# KiCad board leafony-ap03-stm32.kicad_pcb (continued)
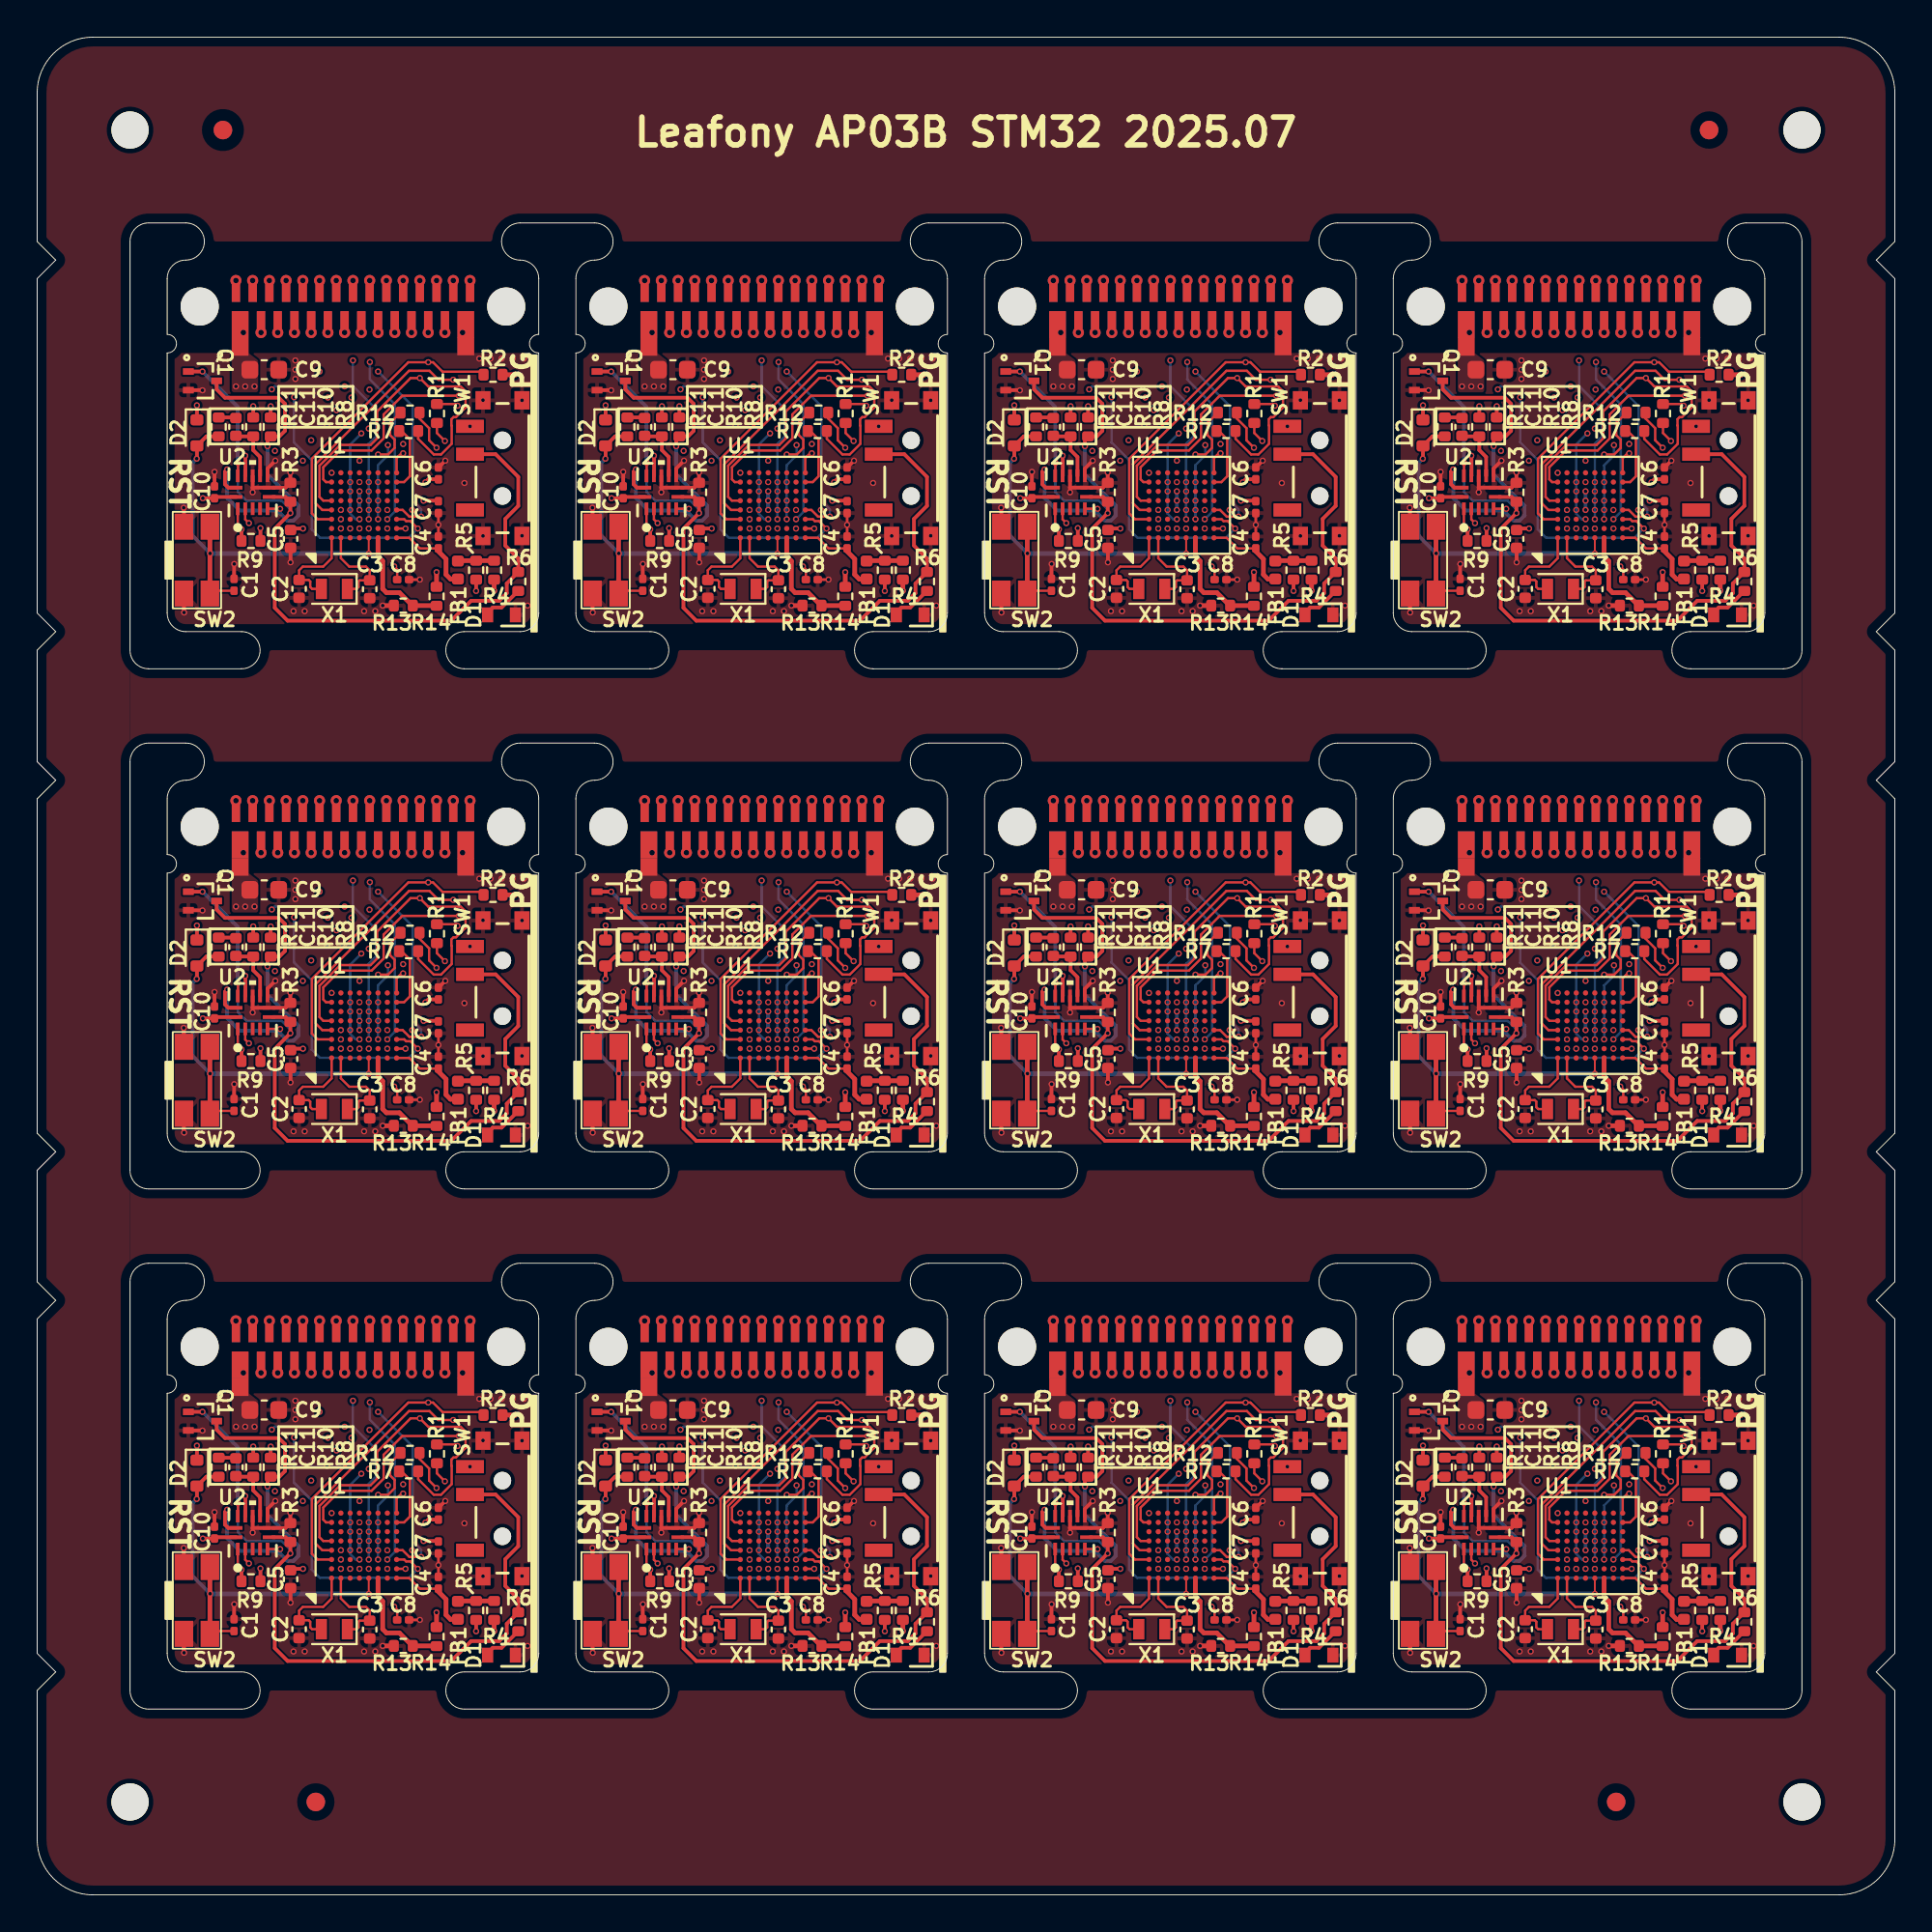
[diagram p0: board, top side]
## Routing (per net, layer and track width the routed paths; a pad name or vN(x,y) marks a point on that pad's centre or on a via; arc(x,y) is an arc through that point) (continued)
D7: length 148.3
  Top w0.127: 41.7,77.69 41.35,77.34 U1#4.H8 ; 41.7,21.69 41.35,21.34 U1.H8 ; 19.7,21.69 19.35,21.34 U1#11.H8 ; U1#8.H8 19.35,49.34 19.7,49.69 ; 85.7,21.69 85.35,21.34 U1#10.H8 ; U1#3.H8 63.35,21.34 63.7,21.69 ; U1#6.H8 63.35,49.34 63.7,49.69 ; U1#7.H8 19.35,77.34 19.7,77.69 ; 63.7,77.69 63.35,77.34 U1#5.H8 ; U1#12.H8 85.35,77.34 85.7,77.69 ; U1#9.H8 41.35,49.34 41.7,49.69 ; 85.7,49.69 85.35,49.34 U1#2.H8
  In1.Cu w0.127: v1(58.75,84.1) v2(58.75,78.3) ; v1(80.75,28.1) v2(80.75,22.3) ; v1(36.75,28.1) v2(36.75,22.3) ; v1(80.75,56.1) v2(80.75,50.3) ; v1(14.75,84.1) v2(14.75,78.3) ; v1(14.75,56.1) v2(14.75,50.3) ; v1(58.75,56.1) v2(58.75,50.3) ; v1(36.75,56.1) v2(36.75,50.3) ; v1(36.75,84.1) v2(36.75,78.3) ; v1(80.75,84.1) v2(80.75,78.3) ; v1(14.75,28.1) v2(14.75,22.3) ; v1(58.75,28.1) v2(58.75,22.3)
  In2.Cu w0.127: 63.7,49.69 63.61,49.6 62.81,49.6 62.11,50.3 v2(58.75,50.3) ; v2(80.75,78.3) 84.11,78.3 84.81,77.6 85.61,77.6 85.7,77.69 ; v2(14.75,50.3) 18.11,50.3 18.81,49.6 19.61,49.6 19.7,49.69 ; v2(36.75,78.3) 40.11,78.3 40.81,77.6 41.61,77.6 41.7,77.69 ; v2(80.75,22.3) 84.11,22.3 84.81,21.6 85.61,21.6 85.7,21.69 ; 19.7,21.69 19.61,21.6 18.81,21.6 18.11,22.3 v2(14.75,22.3) ; v2(58.75,78.3) 62.11,78.3 62.81,77.6 63.61,77.6 63.7,77.69 ; v2(80.75,50.3) 84.11,50.3 84.81,49.6 85.61,49.6 85.7,49.69 ; v2(14.75,78.3) 18.11,78.3 18.81,77.6 19.61,77.6 19.7,77.69 ; v2(36.75,22.3) 40.11,22.3 40.81,21.6 41.61,21.6 41.7,21.69 ; v2(58.75,22.3) 62.11,22.3 62.81,21.6 63.61,21.6 63.7,21.69 ; v2(36.75,50.3) 40.11,50.3 40.81,49.6 41.61,49.6 41.7,49.69
  vias: v2(19.7,77.6) v2(19.7,49.6) v2(19.7,21.6) v2(41.7,77.6) v2(41.7,49.6) v2(41.7,21.6) v2(63.7,77.6) v2(63.7,49.6) v2(63.7,21.6) v2(85.7,77.6) v2(85.7,49.6) v2(85.7,21.6)
D8: length 112.2
  In1.Cu w0.127: v2(60.92,80.6) 60.91,80.59 60.91,76.11 v3(60.85,76.05) ; v2(38.92,80.6) 38.91,80.59 38.91,76.11 v3(38.85,76.05) ; v2(16.92,52.6) 16.91,52.59 16.91,48.11 v3(16.85,48.05) ; v1(15.65,28.1) v2(15.65,24.6) ; v1(15.65,56.1) v2(15.65,52.6) ; v3(60.85,48.05) 60.91,48.11 60.91,52.59 v2(60.92,52.6) ; v1(37.65,84.1) v2(37.65,80.6) ; v1(37.65,56.1) v2(37.65,52.6) ; v3(16.85,76.05) 16.91,76.11 16.91,80.59 v2(16.92,80.6) ; v3(82.85,20.05) 82.91,20.11 82.91,24.59 v2(82.92,24.6) ; v1(15.65,84.1) v2(15.65,80.6) ; v2(60.92,24.6) 60.91,24.59 60.91,20.11 v3(60.85,20.05) ; v3(82.85,48.05) 82.91,48.11 82.91,52.59 v2(82.92,52.6) ; v1(81.65,84.1) v2(81.65,80.6) ; v1(81.65,56.1) v2(81.65,52.6) ; v1(59.65,28.1) v2(59.65,24.6) ; v2(82.92,80.6) 82.91,80.59 82.91,76.11 v3(82.85,76.05) ; v3(38.85,20.05) 38.91,20.11 38.91,24.59 v2(38.92,24.6) ; v3(16.85,20.05) 16.91,20.11 16.91,24.59 v2(16.92,24.6) ; v2(38.92,52.6) 38.91,52.59 38.91,48.11 v3(38.85,48.05) ; v1(59.65,84.1) v2(59.65,80.6) ; v1(37.65,28.1) v2(37.65,24.6) ; v1(81.65,28.1) v2(81.65,24.6) ; v1(59.65,56.1) v2(59.65,52.6)
  In2.Cu w0.127: v2(82.92,80.6) v2(81.65,80.6) ; v2(38.92,24.6) v2(37.65,24.6) ; v2(16.92,80.6) v2(15.65,80.6) ; v2(16.92,52.6) v2(15.65,52.6) ; v2(60.92,24.6) v2(59.65,24.6) ; v2(16.92,24.6) v2(15.65,24.6) ; v2(60.92,80.6) v2(59.65,80.6) ; v2(38.92,52.6) v2(37.65,52.6) ; v2(82.92,24.6) v2(81.65,24.6) ; v2(38.92,80.6) v2(37.65,80.6) ; v2(82.92,52.6) v2(81.65,52.6) ; v2(60.92,52.6) v2(59.65,52.6)
D9: length 210.7
  Top w0.127: U2#12.2 11.2,46.04 v2(11.4,45.84) ; v2(77.4,73.84) 77.2,74.04 U2#10.2 ; v2(77.4,45.84) 77.2,46.04 U2#2.2 ; U2#11.2 11.2,74.04 v2(11.4,73.84) ; U2#9.2 11.2,18.04 v2(11.4,17.84) ; U2#8.2 77.2,18.04 v2(77.4,17.84) ; U2#7.2 33.2,18.04 v2(33.4,17.84) ; U2#6.2 33.2,46.04 v2(33.4,45.84) ; v2(55.4,45.84) 55.2,46.04 U2#5.2 ; U2#3.2 33.2,74.04 v2(33.4,73.84) ; v2(55.4,17.84) 55.2,18.04 U2.2 ; U2#4.2 55.2,74.04 v2(55.4,73.84)
  In1.Cu w0.127: v1(38.55,28.1) v2(38.55,25.2) ; v1(60.55,84.1) v2(60.55,81.2) ; v1(16.55,56.1) v2(16.55,53.2) ; v1(82.55,56.1) v2(82.55,53.2) ; v1(38.55,56.1) v2(38.55,53.2) ; v1(16.55,28.1) v2(16.55,25.2) ; v1(16.55,84.1) v2(16.55,81.2) ; v1(82.55,28.1) v2(82.55,25.2) ; v1(82.55,84.1) v2(82.55,81.2) ; v1(38.55,84.1) v2(38.55,81.2) ; v1(60.55,56.1) v2(60.55,53.2) ; v1(60.55,28.1) v2(60.55,25.2)
  In2.Cu w0.127: v2(77.4,17.84) 76.64,18.6 76.64,19.87 77.56,20.79 77.56,22.46 76.64,23.38 76.64,24.25 77.23,24.84 78.43,24.84 v2(78.63,25.04) ; v2(77.4,73.84) 76.64,74.6 76.64,75.87 77.56,76.79 77.56,78.46 76.64,79.38 76.64,80.25 77.23,80.84 78.43,80.84 v2(78.63,81.04) ; v2(33.4,45.84) 32.64,46.6 32.64,47.87 33.56,48.79 33.56,50.46 32.64,51.38 32.64,52.25 33.23,52.84 34.43,52.84 v2(34.63,53.04) ; v2(12.63,53.04) 12.43,52.84 11.23,52.84 10.64,52.25 10.64,51.38 11.56,50.46 11.56,48.79 10.64,47.87 10.64,46.6 v2(11.4,45.84) ; v2(33.4,73.84) 32.64,74.6 32.64,75.87 33.56,76.79 33.56,78.46 32.64,79.38 32.64,80.25 33.23,80.84 34.43,80.84 v2(34.63,81.04) ; v2(56.63,53.04) 56.43,52.84 55.23,52.84 54.64,52.25 54.64,51.38 55.56,50.46 55.56,48.79 54.64,47.87 54.64,46.6 v2(55.4,45.84) ; v2(33.4,17.84) 32.64,18.6 32.64,19.87 33.56,20.79 33.56,22.46 32.64,23.38 32.64,24.25 33.23,24.84 34.43,24.84 v2(34.63,25.04) ; v2(55.4,73.84) 54.64,74.6 54.64,75.87 55.56,76.79 55.56,78.46 54.64,79.38 54.64,80.25 55.23,80.84 56.43,80.84 v2(56.63,81.04) ; v2(77.4,45.84) 76.64,46.6 76.64,47.87 77.56,48.79 77.56,50.46 76.64,51.38 76.64,52.25 77.23,52.84 78.43,52.84 v2(78.63,53.04) ; v2(12.63,25.04) 12.43,24.84 11.23,24.84 10.64,24.25 10.64,23.38 11.56,22.46 11.56,20.79 10.64,19.87 10.64,18.6 v2(11.4,17.84) ; v2(12.63,81.04) 12.43,80.84 11.23,80.84 10.64,80.25 10.64,79.38 11.56,78.46 11.56,76.79 10.64,75.87 10.64,74.6 v2(11.4,73.84) ; v2(55.4,17.84) 54.64,18.6 54.64,19.87 55.56,20.79 55.56,22.46 54.64,23.38 54.64,24.25 55.23,24.84 56.43,24.84 v2(56.63,25.04)
  Bottom w0.127: v2(38.55,81.2) 34.79,81.2 v2(34.63,81.04) ; v2(56.63,25.04) 56.79,25.2 v2(60.55,25.2) ; v2(12.63,81.04) 12.79,81.2 v2(16.55,81.2) ; v2(60.55,53.2) 56.79,53.2 v2(56.63,53.04) ; v2(34.63,25.04) 34.79,25.2 v2(38.55,25.2) ; v2(56.63,81.04) 56.79,81.2 v2(60.55,81.2) ; v2(82.55,81.2) 78.79,81.2 v2(78.63,81.04) ; v2(12.63,25.04) 12.79,25.2 v2(16.55,25.2) ; v2(34.63,53.04) 34.79,53.2 v2(38.55,53.2) ; v2(12.63,53.04) 12.79,53.2 v2(16.55,53.2) ; v2(78.63,53.04) 78.79,53.2 v2(82.55,53.2) ; v2(82.55,25.2) 78.79,25.2 v2(78.63,25.04)
D10: length 127.5
  In1.Cu w0.127: v1(39.45,84.1) v2(39.45,78.67) ; v1(17.45,56.1) v2(17.45,50.67) ; v1(61.45,28.1) v2(61.45,22.67) ; v1(17.45,84.1) v2(17.45,78.67) ; v1(83.45,28.1) v2(83.45,22.67) ; v1(83.45,56.1) v2(83.45,50.67) ; v1(61.45,56.1) v2(61.45,50.67) ; v1(61.45,84.1) v2(61.45,78.67) ; v1(83.45,84.1) v2(83.45,78.67) ; v1(17.45,28.1) v2(17.45,22.67) ; v1(39.45,28.1) v2(39.45,22.67) ; v1(39.45,56.1) v2(39.45,50.67)
  Bottom w0.127: v2(61.45,22.67) 60.85,22.07 60.85,18.35 61.15,18.05 v2(61.35,18.05) ; v2(83.35,74.05) 83.15,74.05 82.85,74.35 82.85,78.07 v2(83.45,78.67) ; v2(39.45,78.67) 38.85,78.07 38.85,74.35 39.15,74.05 v2(39.35,74.05) ; v2(17.45,22.67) 16.85,22.07 16.85,18.35 17.15,18.05 v2(17.35,18.05) ; v2(83.45,50.67) 82.85,50.07 82.85,46.35 83.15,46.05 v2(83.35,46.05) ; v2(83.35,18.05) 83.15,18.05 82.85,18.35 82.85,22.07 v2(83.45,22.67) ; v2(61.35,74.05) 61.15,74.05 60.85,74.35 60.85,78.07 v2(61.45,78.67) ; v2(61.45,50.67) 60.85,50.07 60.85,46.35 61.15,46.05 v2(61.35,46.05) ; v2(17.35,46.05) 17.15,46.05 16.85,46.35 16.85,50.07 v2(17.45,50.67) ; v2(39.45,50.67) 38.85,50.07 38.85,46.35 39.15,46.05 v2(39.35,46.05) ; v2(39.45,22.67) 38.85,22.07 38.85,18.35 39.15,18.05 v2(39.35,18.05) ; v2(17.45,78.67) 16.85,78.07 16.85,74.35 17.15,74.05 v2(17.35,74.05)
D11: length 148.1
  Top w0.127: U1.H4 41.68,18.55 42.04,18.19 42.67,18.19 v2(42.67,18.19) ; v2(64.67,18.19) 64.67,18.19 64.04,18.19 63.68,18.55 U1#3.H4 ; v2(20.67,46.19) 20.67,46.19 20.04,46.19 19.68,46.55 U1#8.H4 ; U1#9.H4 41.68,46.55 42.04,46.19 42.67,46.19 v2(42.67,46.19) ; U1#2.H4 85.68,46.55 86.04,46.19 86.67,46.19 v2(86.67,46.19) ; v2(20.67,74.19) 20.67,74.19 20.04,74.19 19.68,74.55 U1#7.H4 ; v2(42.67,74.19) 42.67,74.19 42.04,74.19 41.68,74.55 U1#4.H4 ; U1#5.H4 63.68,74.55 64.04,74.19 64.67,74.19 v2(64.67,74.19) ; v2(86.67,18.19) 86.67,18.19 86.04,18.19 85.68,18.55 U1#10.H4 ; v2(64.67,46.19) 64.67,46.19 64.04,46.19 63.68,46.55 U1#6.H4 ; v2(20.67,18.19) 20.67,18.19 20.04,18.19 19.68,18.55 U1#11.H4 ; U1#12.H4 85.68,74.55 86.04,74.19 86.67,74.19 v2(86.67,74.19)
  In1.Cu w0.127: v1(62.35,28.1) v2(62.35,26) ; v1(84.35,28.1) v2(84.35,26) ; v1(18.35,84.1) v2(18.35,82) ; v1(40.35,28.1) v2(40.35,26) ; v1(18.35,56.1) v2(18.35,54) ; v1(62.35,56.1) v2(62.35,54) ; v1(40.35,84.1) v2(40.35,82) ; v1(18.35,28.1) v2(18.35,26) ; v1(62.35,84.1) v2(62.35,82) ; v1(40.35,56.1) v2(40.35,54) ; v1(84.35,56.1) v2(84.35,54) ; v1(84.35,84.1) v2(84.35,82)
  Bottom w0.127: v2(20.67,74.19) 20.67,74.58 20.21,75.04 20.21,80.14 v2(18.35,82) ; v2(18.35,26) 20.21,24.14 20.21,19.04 20.67,18.58 v2(20.67,18.19) ; v2(62.35,54) 64.21,52.14 64.21,47.04 64.67,46.58 v2(64.67,46.19) ; v2(42.67,74.19) 42.67,74.58 42.21,75.04 42.21,80.14 v2(40.35,82) ; v2(42.67,46.19) 42.67,46.58 42.21,47.04 42.21,52.14 v2(40.35,54) ; v2(42.67,18.19) 42.67,18.58 42.21,19.04 42.21,24.14 v2(40.35,26) ; v2(86.67,46.19) 86.67,46.58 86.21,47.04 86.21,52.14 v2(84.35,54) ; v2(20.67,46.19) 20.67,46.58 20.21,47.04 20.21,52.14 v2(18.35,54) ; v2(62.35,82) 64.21,80.14 64.21,75.04 64.67,74.58 v2(64.67,74.19) ; v2(84.35,26) 86.21,24.14 86.21,19.04 86.67,18.58 v2(86.67,18.19) ; v2(64.67,18.19) 64.67,18.58 64.21,19.04 64.21,24.14 v2(62.35,26) ; v2(84.35,82) 86.21,80.14 86.21,75.04 86.67,74.58 v2(86.67,74.19)
D12: length 116.6
  In1.Cu w0.127: v1(19.25,56.1) 19.25,46.95 v3(18.85,46.55) ; v1(19.25,28.1) 19.25,18.95 v3(18.85,18.55) ; v3(18.85,74.55) 19.25,74.95 v1(19.25,84.1) ; v3(62.85,18.55) 63.25,18.95 v1(63.25,28.1) ; v1(41.25,84.1) 41.25,74.95 v3(40.85,74.55) ; v1(63.25,84.1) 63.25,74.95 v3(62.85,74.55) ; v3(84.85,18.55) 85.25,18.95 v1(85.25,28.1) ; v1(41.25,56.1) 41.25,46.95 v3(40.85,46.55) ; v1(85.25,84.1) 85.25,74.95 v3(84.85,74.55) ; v3(40.85,18.55) 41.25,18.95 v1(41.25,28.1) ; v3(62.85,46.55) 63.25,46.95 v1(63.25,56.1) ; v1(85.25,56.1) 85.25,46.95 v3(84.85,46.55)
D13: length 136.9
  In1.Cu w0.127: v1(42.15,28.1) 42.19,28.06 42.19,18.55 v2(42.19,18.55) ; v2(64.19,18.55) 64.19,18.55 64.19,28.06 v1(64.15,28.1) ; v2(86.19,18.55) 86.19,18.55 86.19,28.06 v1(86.15,28.1) ; v2(42.19,46.55) 42.19,46.55 42.19,56.06 v1(42.15,56.1) ; v1(20.15,28.1) 20.19,28.06 20.19,18.55 v2(20.19,18.55) ; v1(86.15,84.1) 86.19,84.06 86.19,74.55 v2(86.19,74.55) ; v1(64.15,56.1) 64.19,56.06 64.19,46.55 v2(64.19,46.55) ; v1(20.15,84.1) 20.19,84.06 20.19,74.55 v2(20.19,74.55) ; v2(64.19,74.55) 64.19,74.55 64.19,84.06 v1(64.15,84.1) ; v1(86.15,56.1) 86.19,56.06 86.19,46.55 v2(86.19,46.55) ; v2(42.19,74.55) 42.19,74.55 42.19,84.06 v1(42.15,84.1) ; v2(20.19,46.55) 20.19,46.55 20.19,56.06 v1(20.15,56.1)
  In2.Cu w0.127: v2(42.19,74.55) v4(40.35,74.55) ; v2(64.19,74.55) v4(62.35,74.55) ; v2(42.19,46.55) v4(40.35,46.55) ; v2(86.19,46.55) v4(84.35,46.55) ; v2(64.19,18.55) v4(62.35,18.55) ; v2(20.19,46.55) v4(18.35,46.55) ; v2(86.19,18.55) v4(84.35,18.55) ; v2(20.19,74.55) v4(18.35,74.55) ; v2(42.19,18.55) v4(40.35,18.55) ; v2(20.19,18.55) v4(18.35,18.55) ; v2(86.19,74.55) v4(84.35,74.55) ; v2(64.19,46.55) v4(62.35,46.55)
PA10: length 122.2
  Top w0.127: U2#3.1 32.8,73.71 v2(33,73.51) ; U2#12.1 10.8,45.71 v2(11,45.51) ; v2(33,17.51) 32.8,17.71 U2#7.1 ; U2#2.1 76.8,45.71 v2(77,45.51) ; U2#6.1 32.8,45.71 v2(33,45.51) ; U2#10.1 76.8,73.71 v2(77,73.51) ; U2#9.1 10.8,17.71 v2(11,17.51) ; v2(55,45.51) 54.8,45.71 U2#5.1 ; v2(77,17.51) 76.8,17.71 U2#8.1 ; v2(55,73.51) 54.8,73.71 U2#4.1 ; U2#11.1 10.8,73.71 v2(11,73.51) ; U2.1 54.8,17.71 v2(55,17.51)
  Top w0.2: v2(33,45.51) R9.1 ; v2(77,45.51) R9#4.1 ; v2(33,73.51) R9#10.1 ; v2(55,45.51) R9#2.1 ; v2(11,73.51) R9#7.1 ; v2(55,73.51) R9#5.1 ; v2(55,17.51) R9#8.1 ; v2(77,73.51) R9#3.1 ; v2(77,17.51) R9#6.1 ; v2(33,17.51) R9#12.1 ; v2(11,45.51) R9#9.1 ; v2(11,17.51) R9#11.1
  In1.Cu w0.127: v2(55,45.51) 55.65,44.86 56.41,44.86 56.72,45.17 56.72,47.1 57.17,47.55 v3(60.85,47.55) ; v3(60.85,19.55) 57.17,19.55 56.72,19.1 56.72,17.17 56.41,16.86 55.65,16.86 v2(55,17.51) ; v2(77,45.51) 77.65,44.86 78.41,44.86 78.72,45.17 78.72,47.1 79.17,47.55 v3(82.85,47.55) ; v3(38.85,75.55) 35.17,75.55 34.72,75.1 34.72,73.17 34.41,72.86 33.65,72.86 v2(33,73.51) ; v2(55,73.51) 55.65,72.86 56.41,72.86 56.72,73.17 56.72,75.1 57.17,75.55 v3(60.85,75.55) ; v2(77,17.51) 77.65,16.86 78.41,16.86 78.72,17.17 78.72,19.1 79.17,19.55 v3(82.85,19.55) ; v2(11,17.51) 11.65,16.86 12.41,16.86 12.72,17.17 12.72,19.1 13.17,19.55 v3(16.85,19.55) ; v2(11,73.51) 11.65,72.86 12.41,72.86 12.72,73.17 12.72,75.1 13.17,75.55 v3(16.85,75.55) ; v3(38.85,19.55) 35.17,19.55 34.72,19.1 34.72,17.17 34.41,16.86 33.65,16.86 v2(33,17.51) ; v2(77,73.51) 77.65,72.86 78.41,72.86 78.72,73.17 78.72,75.1 79.17,75.55 v3(82.85,75.55) ; v2(33,45.51) 33.65,44.86 34.41,44.86 34.72,45.17 34.72,47.1 35.17,47.55 v3(38.85,47.55) ; v3(16.85,47.55) 13.17,47.55 12.72,47.1 12.72,45.17 12.41,44.86 11.65,44.86 v2(11,45.51)
RESET: length 381.7
  Top w0.1: 53.3,44.22 v2(53.31,44.21) 53.3,44.2 ; 9.3,72.2 v2(9.31,72.21) 9.3,72.22 ; U1#12.E1 v2(83.85,72.2) ; U1#9.E1 v2(39.85,44.2) ; U1#8.E1 v2(17.85,44.2) ; U1#7.E1 v2(17.85,72.2) ; 31.3,44.2 v2(31.31,44.21) 31.3,44.22 ; U1#10.E1 v2(83.85,16.2) ; 53.3,16.2 v2(53.31,16.21) 53.3,16.22 ; 53.3,72.2 v2(53.31,72.21) 53.3,72.22 ; U1#11.E1 v2(17.85,16.2) ; 31.3,16.22 v2(31.31,16.21) 31.3,16.2 ; 75.3,72.22 v2(75.31,72.21) 75.3,72.2 ; U1#5.E1 v2(61.85,72.2) ; 31.3,72.2 v2(31.31,72.21) 31.3,72.22 ; U1#6.E1 v2(61.85,44.2) ; 75.3,16.22 v2(75.31,16.21) 75.3,16.2 ; 75.3,44.2 v2(75.31,44.21) 75.3,44.22 ; 9.3,16.2 v2(9.31,16.21) 9.3,16.22 ; U1#3.E1 v2(61.85,16.2) ; U1#4.E1 v2(39.85,72.2) ; U1.E1 v2(39.85,16.2) ; 9.3,44.22 v2(9.31,44.21) 9.3,44.2 ; U1#2.E1 v2(83.85,44.2)
  Top w0.127: C1#9.1 53.45,42.2 SW2#5.4 ; C1#10.1 9.45,42.2 SW2#11.4 ; C1#5.1 31.45,70.2 SW2.4 ; SW2#4.4 75.45,14.2 C1#3.1 ; C1#11.1 53.45,14.2 SW2#6.4 ; SW2#9.4 75.45,42.2 C1#6.1 ; SW2#8.4 53.45,70.2 C1#12.1 ; SW2#10.4 9.45,70.2 C1#4.1 ; C1#2.1 9.45,14.2 SW2#7.4 ; C1#8.1 75.45,70.2 SW2#3.4 ; C1#7.1 31.45,42.2 SW2#2.4 ; SW2#12.4 31.45,14.2 C1.1
  Top w0.2: 9.31,70.04 SW2#10.4 ; 53.31,70.04 SW2#8.4 ; R11#3.2 53.11,78.51 D2#12.2 52.6,77.32 v2(52.59,77.31) ; R11.2 53.11,22.51 D2#6.2 52.6,21.32 v2(52.59,21.31) ; v2(30.59,49.31) 30.6,49.32 D2#3.2 31.11,50.51 R11#8.2 ; v2(74.59,77.31) 74.6,77.32 D2#5.2 75.11,78.51 R11#10.2 ; 53.31,14.04 SW2#6.4 ; v2(52.59,49.31) 52.6,49.32 D2#11.2 53.11,50.51 R11#4.2 ; R11#6.2 31.11,22.51 D2#8.2 30.6,21.32 v2(30.59,21.31) ; 31.31,70.04 SW2.4 ; R11#7.2 31.11,78.51 D2.2 30.6,77.32 v2(30.59,77.31) ; v2(8.59,21.31) 8.6,21.32 D2#7.2 9.11,22.51 R11#5.2 ; 9.31,14.04 SW2#7.4 ; R11#2.2 9.11,50.51 D2#9.2 8.6,49.32 v2(8.59,49.31) ; 9.31,42.04 SW2#11.4 ; 53.31,42.04 SW2#5.4 ; 75.31,70.04 SW2#3.4 ; 31.31,42.04 SW2#2.4 ; v2(8.59,77.31) 8.6,77.32 D2#2.2 9.11,78.51 R11#11.2 ; v2(74.59,21.31) 74.6,21.32 D2#10.2 75.11,22.51 R11#9.2 ; R11#12.2 75.11,50.51 D2#4.2 74.6,49.32 v2(74.59,49.31) ; 75.31,42.04 SW2#9.4 ; 75.31,14.04 SW2#4.4 ; 31.31,14.04 SW2#12.4
  Top w0.254: SW2#11.1 9.3,44.22 ; SW2#12.1 31.3,16.22 ; SW2#6.1 53.3,16.22 ; SW2.1 31.3,72.22 ; SW2#9.1 75.3,44.22 ; SW2#3.1 75.3,72.22 ; SW2#8.1 53.3,72.22 ; SW2#10.1 9.3,72.22 ; 75.3,16.2 SW2#4.4 ; 9.3,16.2 SW2#7.4 ; SW2#5.1 53.3,44.22 ; 9.3,72.2 SW2#10.4 ; 31.3,16.2 SW2#12.4 ; 53.3,44.2 SW2#5.4 ; 75.3,72.2 SW2#3.4 ; SW2#7.1 9.3,16.22 ; 31.3,72.2 SW2.4 ; 53.3,72.2 SW2#8.4 ; 53.3,16.2 SW2#6.4 ; 9.3,44.2 SW2#11.4 ; 31.3,44.2 SW2#2.4 ; SW2#2.1 31.3,44.22 ; 75.3,44.2 SW2#9.4 ; SW2#4.1 75.3,16.22
  In1.Cu w0.2: v2(74.59,77.31) 75.51,78.23 75.51,81.26 76.32,82.07 78.33,82.07 78.95,82.69 v1(78.95,84.1) ; v2(52.59,21.31) 53.51,22.23 53.51,25.26 54.32,26.07 56.33,26.07 56.95,26.69 v1(56.95,28.1) ; v1(12.95,56.1) 12.95,54.69 12.33,54.07 10.32,54.07 9.51,53.26 9.51,50.23 v2(8.59,49.31) ; v1(12.95,84.1) 12.95,82.69 12.33,82.07 10.32,82.07 9.51,81.26 9.51,78.23 v2(8.59,77.31) ; v1(78.95,28.1) 78.95,26.69 78.33,26.07 76.32,26.07 75.51,25.26 75.51,22.23 v2(74.59,21.31) ; v2(30.59,49.31) 31.51,50.23 31.51,53.26 32.32,54.07 34.33,54.07 34.95,54.69 v1(34.95,56.1) ; v2(74.59,49.31) 75.51,50.23 75.51,53.26 76.32,54.07 78.33,54.07 78.95,54.69 v1(78.95,56.1) ; v1(34.95,84.1) 34.95,82.69 34.33,82.07 32.32,82.07 31.51,81.26 31.51,78.23 v2(30.59,77.31) ; v2(8.59,21.31) 9.51,22.23 9.51,25.26 10.32,26.07 12.33,26.07 12.95,26.69 v1(12.95,28.1) ; v2(52.59,77.31) 53.51,78.23 53.51,81.26 54.32,82.07 56.33,82.07 56.95,82.69 v1(56.95,84.1) ; v2(52.59,49.31) 53.51,50.23 53.51,53.26 54.32,54.07 56.33,54.07 56.95,54.69 v1(56.95,56.1) ; v2(30.59,21.31) 31.51,22.23 31.51,25.26 32.32,26.07 34.33,26.07 34.95,26.69 v1(34.95,28.1)
  Bottom w0.2: v2(52.59,77.31) 52.37,77.09 52.37,73.15 v2(53.31,72.21) ; v2(53.31,44.21) 52.37,45.15 52.37,49.09 v2(52.59,49.31) ; v2(75.31,44.21) 74.37,45.15 74.37,49.09 v2(74.59,49.31) ; v2(53.31,16.21) 52.37,17.15 52.37,21.09 v2(52.59,21.31) ; v2(9.31,44.21) 8.37,45.15 8.37,49.09 v2(8.59,49.31) ; v2(31.31,16.21) 30.37,17.15 30.37,21.09 v2(30.59,21.31) ; v2(30.59,49.31) 30.37,49.09 30.37,45.15 v2(31.31,44.21) ; v2(9.31,72.21) 8.37,73.15 8.37,77.09 v2(8.59,77.31) ; v2(75.31,72.21) 74.37,73.15 74.37,77.09 v2(74.59,77.31) ; v2(9.31,16.21) 8.37,17.15 8.37,21.09 v2(8.59,21.31) ; v2(75.31,16.21) 74.37,17.15 74.37,21.09 v2(74.59,21.31) ; v2(31.31,72.21) 30.37,73.15 30.37,77.09 v2(30.59,77.31)
  Bottom w0.254: v2(83.85,16.2) 75.32,16.2 v2(75.31,16.21) ; v2(9.31,16.21) 9.32,16.2 v2(17.85,16.2) ; v2(75.31,72.21) 75.32,72.2 v2(83.85,72.2) ; v2(9.31,72.21) 9.32,72.2 v2(17.85,72.2) ; v2(31.31,16.21) 31.32,16.2 v2(39.85,16.2) ; v2(39.85,72.2) 31.32,72.2 v2(31.31,72.21) ; v2(61.85,16.2) 53.32,16.2 v2(53.31,16.21) ; v2(61.85,44.2) 53.32,44.2 v2(53.31,44.21) ; v2(75.31,44.21) 75.32,44.2 v2(83.85,44.2) ; v2(53.31,72.21) 53.32,72.2 v2(61.85,72.2) ; v2(31.31,44.21) 31.32,44.2 v2(39.85,44.2) ; v2(17.85,44.2) 9.32,44.2 v2(9.31,44.21)
SCL: length 194.5
  Top w0.127: R1#7.2 65.52,78.69 v2(65.95,78.26) ; R1#12.2 21.52,50.69 v2(21.95,50.26) ; R1#11.2 21.52,22.69 v2(21.95,22.26) ; v2(43.95,22.26) 43.52,22.69 R1#5.2 ; v2(65.95,22.26) 65.52,22.69 R1.2 ; R1#9.2 87.52,50.69 v2(87.95,50.26) ; v2(87.95,22.26) 87.52,22.69 R1#3.2 ; v2(21.95,78.26) 21.52,78.69 R1#4.2 ; R1#2.2 43.52,78.69 v2(43.95,78.26) ; v2(87.95,78.26) 87.52,78.69 R1#6.2 ; v2(43.95,50.26) 43.52,50.69 R1#8.2 ; v2(65.95,50.26) 65.52,50.69 R1#10.2
  In1.Cu w0.127: v1(21.95,28.1) v2(21.95,22.26) ; v1(65.95,84.1) v2(65.95,78.26) ; v1(43.95,28.1) v2(43.95,22.26) ; v1(87.95,28.1) v2(87.95,22.26) ; v1(43.95,56.1) v2(43.95,50.26) ; v1(21.95,84.1) v2(21.95,78.26) ; v1(65.95,28.1) v2(65.95,22.26) ; v1(87.95,84.1) v2(87.95,78.26) ; v1(65.95,56.1) v2(65.95,50.26) ; v1(87.95,56.1) v2(87.95,50.26) ; v1(21.95,56.1) v2(21.95,50.26) ; v1(43.95,84.1) v2(43.95,78.26)
  In2.Cu w0.127: v2(60.35,74.05) 60.15,74.05 59.85,74.35 59.85,75.85 60.83,76.83 63.77,76.83 65.2,78.26 65.95,78.26 v2(65.95,78.26) ; v2(38.35,18.05) 38.15,18.05 37.85,18.35 37.85,19.85 38.83,20.83 41.77,20.83 43.2,22.26 43.95,22.26 v2(43.95,22.26) ; v2(38.35,46.05) 38.15,46.05 37.85,46.35 37.85,47.85 38.83,48.83 41.77,48.83 43.2,50.26 43.95,50.26 v2(43.95,50.26) ; v2(38.35,74.05) 38.15,74.05 37.85,74.35 37.85,75.85 38.83,76.83 41.77,76.83 43.2,78.26 43.95,78.26 v2(43.95,78.26) ; v2(60.35,46.05) 60.15,46.05 59.85,46.35 59.85,47.85 60.83,48.83 63.77,48.83 65.2,50.26 65.95,50.26 v2(65.95,50.26) ; v2(87.95,50.26) 87.95,50.26 87.2,50.26 85.77,48.83 82.83,48.83 81.85,47.85 81.85,46.35 82.15,46.05 v2(82.35,46.05) ; v2(82.35,74.05) 82.15,74.05 81.85,74.35 81.85,75.85 82.83,76.83 85.77,76.83 87.2,78.26 87.95,78.26 v2(87.95,78.26) ; v2(60.35,18.05) 60.15,18.05 59.85,18.35 59.85,19.85 60.83,20.83 63.77,20.83 65.2,22.26 65.95,22.26 v2(65.95,22.26) ; v2(21.95,50.26) 21.95,50.26 21.2,50.26 19.77,48.83 16.83,48.83 15.85,47.85 15.85,46.35 16.15,46.05 v2(16.35,46.05) ; v2(87.95,22.26) 87.95,22.26 87.2,22.26 85.77,20.83 82.83,20.83 81.85,19.85 81.85,18.35 82.15,18.05 v2(82.35,18.05) ; v2(21.95,22.26) 21.95,22.26 21.2,22.26 19.77,20.83 16.83,20.83 15.85,19.85 15.85,18.35 16.15,18.05 v2(16.35,18.05) ; v2(21.95,78.26) 21.95,78.26 21.2,78.26 19.77,76.83 16.83,76.83 15.85,75.85 15.85,74.35 16.15,74.05 v2(16.35,74.05)
SDA: length 208.9
  Top w0.127: U1.A3 37.1,18.05 36.79,18.36 36.79,21.31 41.98,26.5 v2(43.05,26.5) 43.31,26.5 43.82,25.99 45.87,25.99 R2#7.2 ; R2#4.2 23.87,25.99 21.82,25.99 21.31,26.5 v2(21.05,26.5) 19.98,26.5 14.79,21.31 14.79,18.36 15.1,18.05 U1#11.A3 ; U1#5.A3 59.1,74.05 58.79,74.36 58.79,77.31 63.98,82.5 v2(65.05,82.5) 65.31,82.5 65.82,81.99 67.87,81.99 R2#12.2 ; U1#6.A3 59.1,46.05 58.79,46.36 58.79,49.31 63.98,54.5 v2(65.05,54.5) 65.31,54.5 65.82,53.99 67.87,53.99 R2#8.2 ; U1#9.A3 37.1,46.05 36.79,46.36 36.79,49.31 41.98,54.5 v2(43.05,54.5) 43.31,54.5 43.82,53.99 45.87,53.99 R2#2.2 ; U1#7.A3 15.1,74.05 14.79,74.36 14.79,77.31 19.98,82.5 v2(21.05,82.5) 21.31,82.5 21.82,81.99 23.87,81.99 R2.2 ; U1#12.A3 81.1,74.05 80.79,74.36 80.79,77.31 85.98,82.5 v2(87.05,82.5) 87.31,82.5 87.82,81.99 89.87,81.99 R2#9.2 ; U1#2.A3 81.1,46.05 80.79,46.36 80.79,49.31 85.98,54.5 v2(87.05,54.5) 87.31,54.5 87.82,53.99 89.87,53.99 R2#10.2 ; R2#3.2 89.87,25.99 87.82,25.99 87.31,26.5 v2(87.05,26.5) 85.98,26.5 80.79,21.31 80.79,18.36 81.1,18.05 U1#10.A3 ; U1#4.A3 37.1,74.05 36.79,74.36 36.79,77.31 41.98,82.5 v2(43.05,82.5) 43.31,82.5 43.82,81.99 45.87,81.99 R2#6.2 ; U1#3.A3 59.1,18.05 58.79,18.36 58.79,21.31 63.98,26.5 v2(65.05,26.5) 65.31,26.5 65.82,25.99 67.87,25.99 R2#11.2 ; R2#5.2 23.87,53.99 21.82,53.99 21.31,54.5 v2(21.05,54.5) 19.98,54.5 14.79,49.31 14.79,46.36 15.1,46.05 U1#8.A3
  In1.Cu w0.127: v1(65.05,28.1) v2(65.05,26.5) ; v1(43.05,56.1) v2(43.05,54.5) ; v1(43.05,84.1) v2(43.05,82.5) ; v1(65.05,84.1) v2(65.05,82.5) ; v1(65.05,56.1) v2(65.05,54.5) ; v1(87.05,84.1) v2(87.05,82.5) ; v1(87.05,28.1) v2(87.05,26.5) ; v1(21.05,28.1) v2(21.05,26.5) ; v1(43.05,28.1) v2(43.05,26.5) ; v1(21.05,84.1) v2(21.05,82.5) ; v1(87.05,56.1) v2(87.05,54.5) ; v1(21.05,56.1) v2(21.05,54.5)
SWCLK: length 207.3
  Top w0.127: v2(88.7,52.7) 85.66,52.7 84.65,51.69 84.65,50.4 84,49.75 82.3,49.75 81.4,48.85 81.4,48.2 81.55,48.05 U1#2.A7 ; U1#3.A7 59.55,20.05 59.4,20.2 59.4,20.85 60.3,21.75 62,21.75 62.65,22.4 62.65,23.69 63.66,24.7 v2(66.7,24.7) ; U1#7.A7 15.55,76.05 15.4,76.2 15.4,76.85 16.3,77.75 18,77.75 18.65,78.4 18.65,79.69 19.66,80.7 v2(22.7,80.7) ; U1#6.A7 59.55,48.05 59.4,48.2 59.4,48.85 60.3,49.75 62,49.75 62.65,50.4 62.65,51.69 63.66,52.7 v2(66.7,52.7) ; U1#11.A7 15.55,20.05 15.4,20.2 15.4,20.85 16.3,21.75 18,21.75 18.65,22.4 18.65,23.69 19.66,24.7 v2(22.7,24.7) ; U1#4.A7 37.55,76.05 37.4,76.2 37.4,76.85 38.3,77.75 40,77.75 40.65,78.4 40.65,79.69 41.66,80.7 v2(44.7,80.7) ; U1#8.A7 15.55,48.05 15.4,48.2 15.4,48.85 16.3,49.75 18,49.75 18.65,50.4 18.65,51.69 19.66,52.7 v2(22.7,52.7) ; U1#9.A7 37.55,48.05 37.4,48.2 37.4,48.85 38.3,49.75 40,49.75 40.65,50.4 40.65,51.69 41.66,52.7 v2(44.7,52.7) ; U1#5.A7 59.55,76.05 59.4,76.2 59.4,76.85 60.3,77.75 62,77.75 62.65,78.4 62.65,79.69 63.66,80.7 v2(66.7,80.7) ; v2(88.7,24.7) 85.66,24.7 84.65,23.69 84.65,22.4 84,21.75 82.3,21.75 81.4,20.85 81.4,20.2 81.55,20.05 U1#10.A7 ; U1.A7 37.55,20.05 37.4,20.2 37.4,20.85 38.3,21.75 40,21.75 40.65,22.4 40.65,23.69 41.66,24.7 v2(44.7,24.7) ; U1#12.A7 81.55,76.05 81.4,76.2 81.4,76.85 82.3,77.75 84,77.75 84.65,78.4 84.65,79.69 85.66,80.7 v2(88.7,80.7)